# Allegro board BeagleBoard-X15_RevA2.brd (continued)
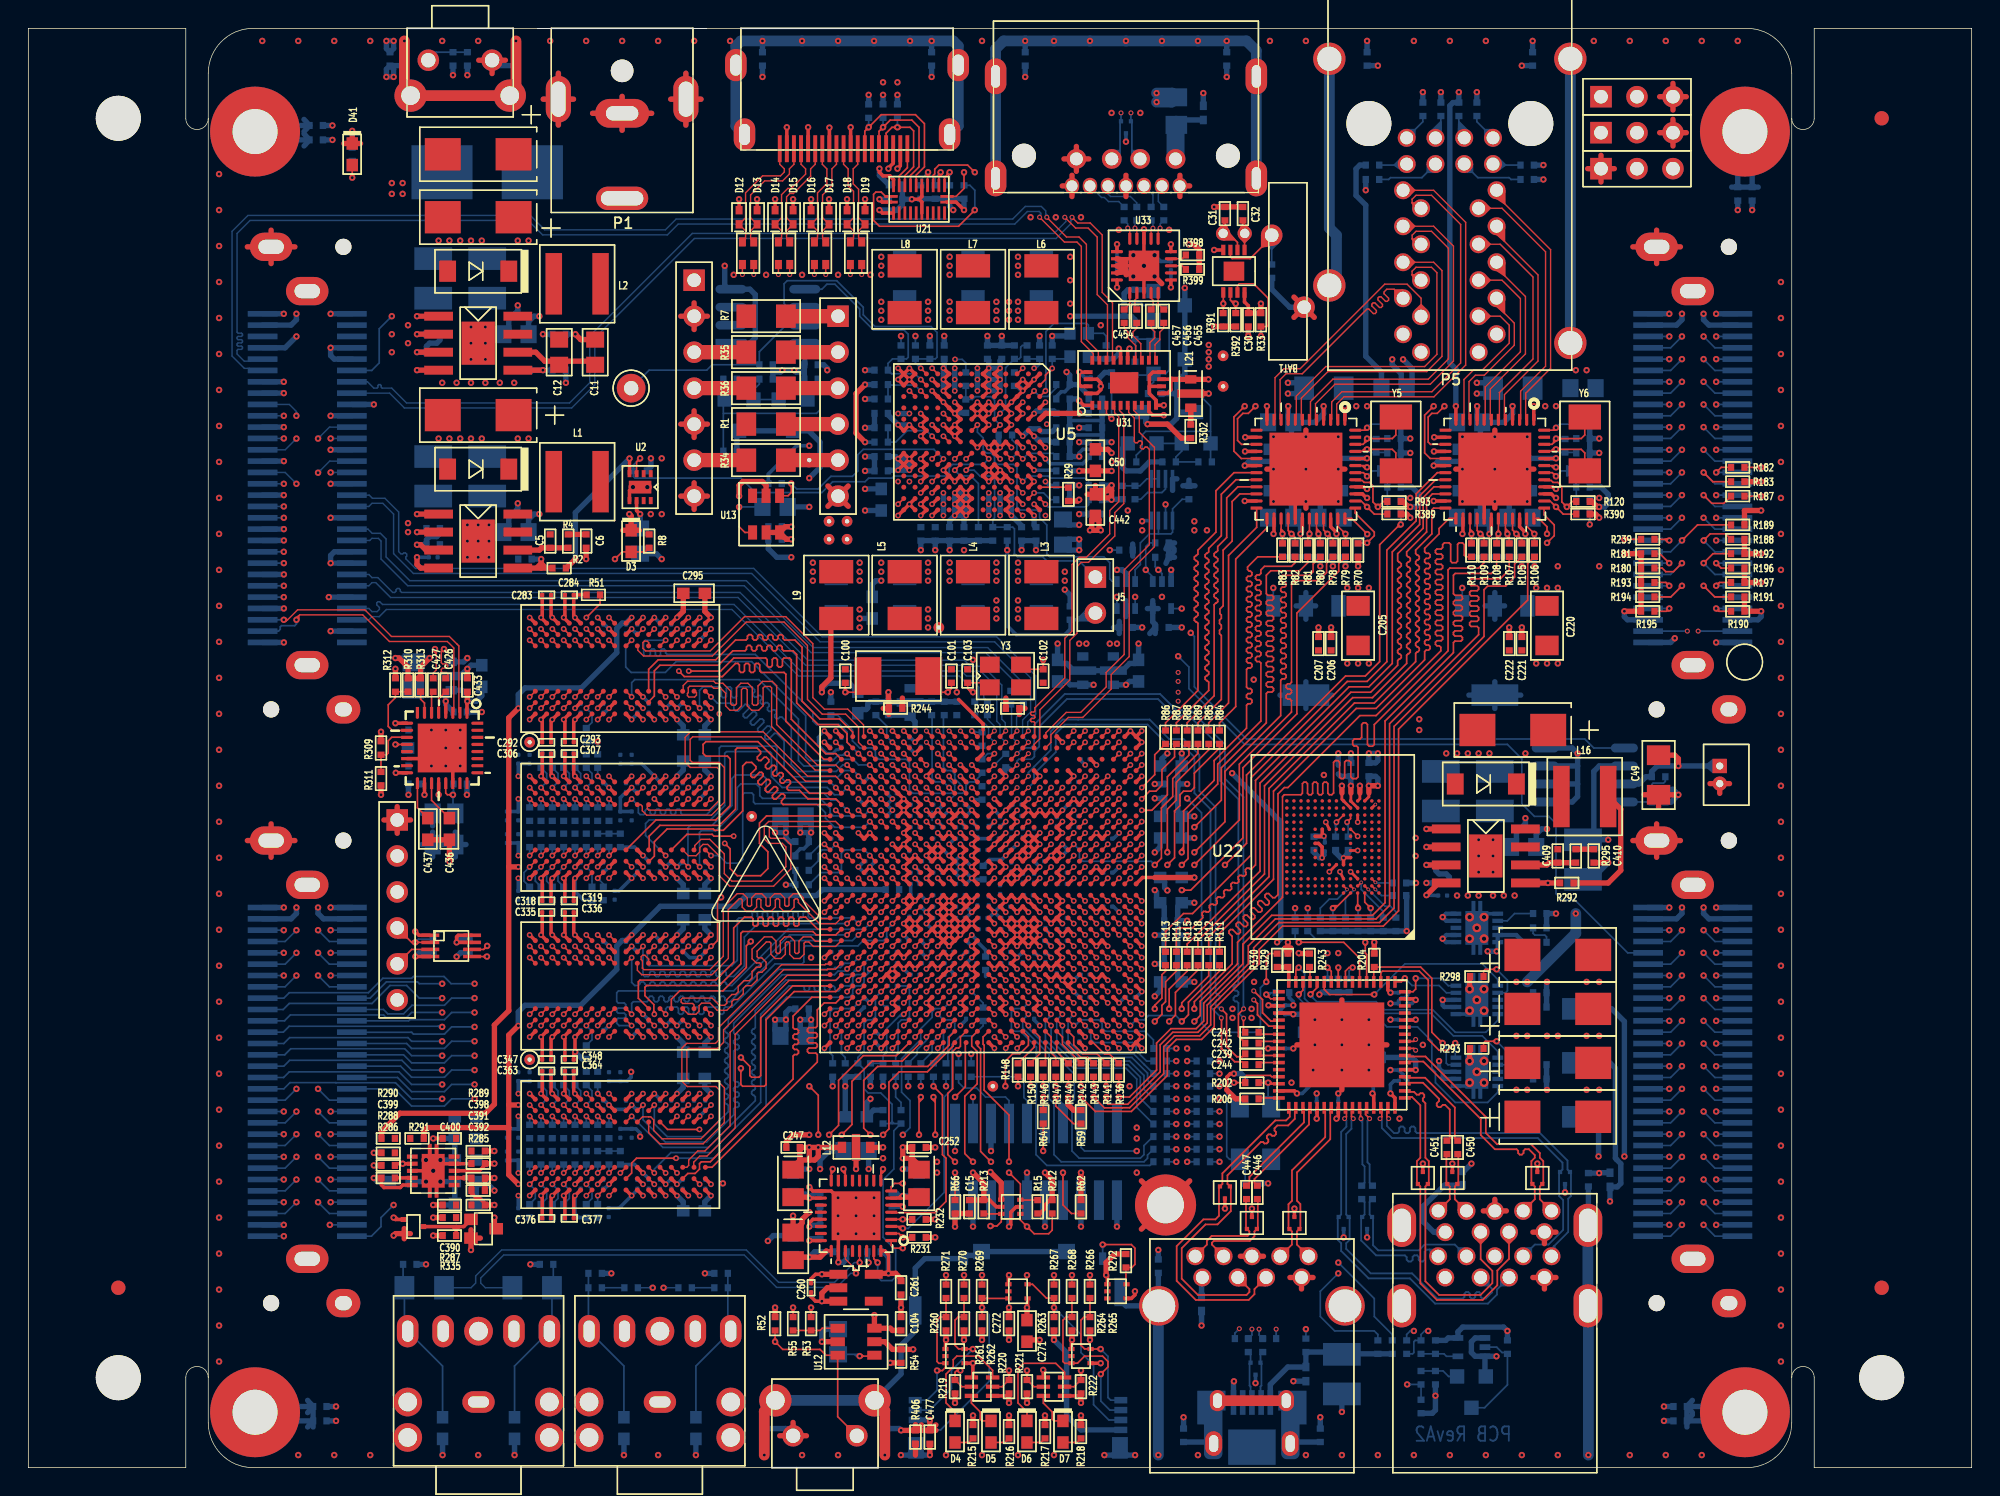
[diagram p0: board, top side]
## Routing (per net, layer and track width the routed paths; a pad name or vN(x,y) marks a point on that pad's centre or on a via; arc(x,y) is an arc through that point) (continued)
  PWR_L6 w0.381: 102.88,15.55 P15.7 ; P15.7 104.13,15.55 ; P15.7 102.88,14.3 ; P15.7 104.13,14.3 ; P15.16 103.5,18.94 ; P15.16 102.69,18.13 ; P15.16 104.32,18.13 ; 107.01,16.63 107.82,16.63 ; 107.01,16.63 107.01,15.81 ; 107.01,16.63 106.19,16.63 ; 107.01,12.61 107.01,13.43 ; 107.01,13.43 107.82,13.43 ; 107.01,13.43 106.19,13.43 ; P13.4 90.67,13.43 ; P13.4 89.86,12.61 ; P13.4 89.05,13.43
  GND_L9 w0.381: 85.55,14.92 P13.7 ; P13.7 87.17,14.92 ; P13.7 86.36,15.74 ; MH5.1 81.97,20.25 ; MH5.1 78.56,20.25 ; MH5.1 78.56,16.84 ; MH5.1 81.97,16.84 ; 56.43,69.3 P3.6 ; P3.6 57.87,69.3 ; P3.6 57.87,67.86 ; P3.6 56.43,67.86 ; 77.47,89.73 P6.8 77.47,91.23 ; 73.66,89.73 P6.5 ; P6.5 72.97,90.48 ; P6.5 73.66,91.23 ; 15.46,86.17 17.14,86.17 ; 17.14,86.17 17.14,87.35 ; 17.14,86.17 17.14,85 ; 17.14,86.17 18.81,86.17 ; P6.11 81.97,90.48 ; P6.11 81.28,91.23 ; P6.11 81.28,89.73 ; 107.01,12.61 107.01,13.43 ; 107.01,13.43 107.82,13.43 ; 107.01,13.43 106.19,13.43 ; P10.1 26.04,46.66 ; P10.1 26.04,44.78 ; P10.1 25.1,45.72 ; P10.1 26.97,45.72 ; P1.MTG1 37.41,98.43 ; P1.MTG1 38.48,96.6 ; P1.MTG1 36.34,96.6 ; P1.MTG1 37.41,94.77 ; 17.14,43.09 17.14,44.26 ; 17.14,44.26 15.46,44.26 ; 17.14,44.26 18.81,44.26 ; 17.14,44.26 17.14,45.44 ; S1.1 33.67,99.35 ; S1.1 32.73,98.41 ; S1.1 31.79,99.35 ; 46.99,67.64 P2.7 ; P2.7 46.05,68.58 ; P2.7 46.99,69.52 ; P2.7 47.93,68.58 ; J4.3 117.02,94.23 ; J4.3 116.08,93.29 ; J4.3 115.14,94.23 ; J4.3 116.08,95.17 ; P18.A2 116.6,44.26 ; P18.A2 113.25,44.26 ; P18.A2 114.92,43.09 ; P18.A2 114.92,45.44 ; P15.16 103.5,18.94 ; P15.16 104.32,18.13 ; P15.16 102.69,18.13 ; 119.38,47.6 J1.2 ; J1.2 120.07,48.29 ; J1.2 118.69,48.29 ; P15.7 104.13,15.55 ; P15.7 104.13,14.3 ; P15.7 102.88,14.3 ; P15.7 102.88,15.55 ; 114.92,85 P16.A2 ; P16.A2 113.25,86.17 ; P16.A2 116.6,86.17 ; P16.A2 114.92,87.35 ; 107.01,15.81 107.01,16.63 ; 107.01,16.63 107.82,16.63 ; 107.01,16.63 106.19,16.63 ; P1.MTG2 47.48,96.6 ; P1.MTG2 45.34,96.6 ; P1.MTG2 46.41,98.43 ; P1.MTG2 46.41,94.77 ; S2.1 54.91,2.25 ; S2.1 53.98,3.19 ; S2.1 53.04,2.25 ; 97.67,78.11 P5.20 ; P5.20 98.93,79.37 ; P5.20 98.93,78.11 ; P5.20 97.67,79.37 ; 41.91,94.41 P1.2 ; P1.2 41.91,96.79 ; P1.2 43.99,95.6 ; P1.2 39.83,95.6 ; J6.1 111.94,91.69 ; J6.1 111,92.63 ; J6.1 110.06,91.69 ; J6.1 111,90.75 ; 90.04,81.92 90.76,81.2 ; 90.04,81.92 89.33,82.63 ; 90.04,81.92 89.33,81.2 ; 90.04,81.92 90.76,82.63 ; P6.4 73.97,93.26 ; P6.4 74.85,92.38 ; P6.4 73.09,92.38 ; P6.4 73.97,91.51 ; 89.05,13.43 P13.4 ; P13.4 89.86,12.61 ; P13.4 90.67,13.43 ; P5.10 102.99,79.37 ; P5.10 101.73,78.11 ; P5.10 101.73,79.37 ; P5.10 102.99,78.11 ; J3.3 117.02,96.77 ; J3.3 116.08,95.83 ; J3.3 115.14,96.77 ; J3.3 116.08,97.71
  GND_L11 w0.381: 45.34,96.6 P1.MTG2 ; P1.MTG2 46.41,98.43 ; P1.MTG2 47.48,96.6 ; P1.MTG2 46.41,94.77 ; P18.A2 116.6,44.26 ; P18.A2 114.92,43.09 ; P18.A2 113.25,44.26 ; P18.A2 114.92,45.44 ; 41.91,94.41 P1.2 ; P1.2 43.99,95.6 ; P1.2 39.83,95.6 ; P1.2 41.91,96.79 ; 89.33,82.63 90.04,81.92 ; 90.04,81.92 90.76,81.2 ; 90.04,81.92 90.76,82.63 ; 90.04,81.92 89.33,81.2 ; P6.4 73.97,93.26 ; P6.4 73.97,91.51 ; P6.4 74.85,92.38 ; P6.4 73.09,92.38 ; 17.14,86.17 18.81,86.17 ; 17.14,86.17 17.14,85 ; 17.14,86.17 17.14,87.35 ; 17.14,86.17 15.46,86.17 ; J4.3 116.08,95.17 ; J4.3 117.02,94.23 ; J4.3 115.14,94.23 ; J4.3 116.08,93.29 ; 81.28,89.73 P6.11 ; P6.11 81.28,91.23 ; P6.11 81.97,90.48 ; 78.56,16.84 MH5.1 ; MH5.1 78.56,20.25 ; MH5.1 81.97,16.84 ; MH5.1 81.97,20.25 ; 32.73,98.41 S1.1 ; S1.1 33.67,99.35 ; S1.1 31.79,99.35 ; 89.86,12.61 P13.4 ; P13.4 89.05,13.43 ; P13.4 90.67,13.43 ; P13.7 87.17,14.92 ; P13.7 86.36,15.74 ; P13.7 85.55,14.92 ; P5.10 102.99,78.11 ; P5.10 101.73,79.37 ; P5.10 102.99,79.37 ; P5.10 101.73,78.11 ; P10.1 26.04,46.66 ; P10.1 26.04,44.78 ; P10.1 26.97,45.72 ; P10.1 25.1,45.72 ; S2.1 54.91,2.25 ; S2.1 53.04,2.25 ; S2.1 53.98,3.19 ; P3.6 57.87,67.86 ; P3.6 56.43,69.3 ; P3.6 57.87,69.3 ; P3.6 56.43,67.86 ; J1.2 120.07,48.29 ; J1.2 119.38,47.6 ; J1.2 118.69,48.29 ; P15.16 103.5,18.94 ; P15.16 104.32,18.13 ; P15.16 102.69,18.13 ; 15.46,44.26 17.14,44.26 ; 17.14,44.26 17.14,43.09 ; 17.14,44.26 18.81,44.26 ; 17.14,44.26 17.14,45.44 ; 107.01,12.61 107.01,13.43 ; 107.01,13.43 107.82,13.43 ; 107.01,13.43 106.19,13.43 ; P1.MTG1 38.48,96.6 ; P1.MTG1 36.34,96.6 ; P1.MTG1 37.41,94.77 ; P1.MTG1 37.41,98.43 ; 114.92,85 P16.A2 ; P16.A2 114.92,87.35 ; P16.A2 113.25,86.17 ; P16.A2 116.6,86.17 ; P15.7 104.13,15.55 ; P15.7 104.13,14.3 ; P15.7 102.88,14.3 ; P15.7 102.88,15.55 ; 107.01,15.81 107.01,16.63 ; 107.01,16.63 107.82,16.63 ; 107.01,16.63 106.19,16.63 ; P2.7 47.93,68.58 ; P2.7 46.99,69.52 ; P2.7 46.05,68.58 ; P2.7 46.99,67.64 ; 77.47,91.23 P6.8 77.47,89.73 ; 110.06,91.69 J6.1 ; J6.1 111,92.63 ; J6.1 111.94,91.69 ; J6.1 111,90.75 ; J3.3 117.02,96.77 ; J3.3 115.14,96.77 ; J3.3 116.08,97.71 ; J3.3 116.08,95.83 ; P6.5 73.66,91.23 ; P6.5 73.66,89.73 ; P6.5 72.97,90.48 ; P5.20 98.93,79.37 ; P5.20 97.67,79.37 ; P5.20 97.67,78.11 ; P5.20 98.93,78.11
  BOTTOM w0.127: 63.78,46.33 63.78,46.1 C498.2 ; C498.2 63.79,45.92 63.79,45.69 ; C498.2 63.53,46.01
  BOTTOM w0.203: v1(56.19,52.01) 55.74,51.56 55.74,51.02 56.35,50.42 56.77,50.42 57.02,50.67 57.16,50.67 C171.2
  BOTTOM w0.254: v1(45.78,20) 46.1,20.31 C385.2 ; C144.2 U11.AA14 v1(68.19,46.41) 68.59,46 C152.2 ; C357.2 45.3,31.52 v1(44.98,31.2) 44.67,31.52 C356.2 ; C310.2 44.67,47.69 v1(44.98,48.01) ; R417.2 67.56,34.67 ; v1(45.78,26.4) U25.D1 C368.2 ; C56.1 66.19,42.81 v1(66.59,42.41) ; C338.2 U26.G1 v1(43.38,37.6) ; C491.2 90.99,27.75 v2(90.68,28.07) ; C85.2 67.79,38 v1(68.19,37.61) ; C311.2 U24.D1 v1(45.78,48.81) ; v1(47.38,26.4) U25.B1 C374.2 ; C121.2 76.59,39.6 v1(76.99,39.21) ; C291.2 47.78,58.81 v1(47.38,58.41) ; v1(70.59,42.41) 70.99,42 C123.2 ; v1(63.39,39.21) 63.79,39.6 C77.2 ; v1(63.39,39.21) 63.07,39.52 C166.2 ; v1(63.39,39.21) 63.79,38.8 ; C384.2 45.3,20.31 v1(44.98,20) 44.67,20.31 C383.2 ; C58.1 69.39,35.6 v1(69.79,35.21) ; v1(44.98,25.6) 44.67,25.29 C367.2 ; v1(91.31,43.05) 91.5,43.24 C266.2 ; v1(68.99,41.61) U11.R13 C72.1 ; v1(62.59,47.21) 62.9,46.89 C172.2 ; C198.2 66.19,41.21 v1(66.59,41.61) ; C421.2 74.55,76.96 v2(74.17,77.34) ; C303.2 45.3,53.92 v1(44.98,53.61) 44.67,53.92 C302.2 ; C161.2 58.99,46.81 v1(58.59,47.21) ; 75.79,72.9 73.5,72.9 ; C75.2 69.39,42 v1(69.79,41.61) ; v1(48.18,19.2) U25.A9 C386.2 ; C236.2 U11.AA11 v1(70.59,46.41) ; v1(64.99,44.01) 65.39,44.41 C182.2 ; C316.2 U24.B1 v1(47.38,48.81) ; v1(72.99,34.41) 72.59,34.8 C132.2 ; v1(66.59,39.21) 66.19,38.8 C91.2 ; v1(66.59,39.21) 66.19,39.6 C88.1 ; v1(66.59,39.21) U11.N15 C203.2 ; v1(76.99,44.81) 76.59,44.41 C119.2 ; v2(94.61,28.07) 94.3,27.75 C486.2 ; C365.2 40.67,25.92 v1(40.98,25.6) 41.3,25.29 C280.2 ; C325.2 46.1,42.72 v1(45.78,42.41) ; v1(43.38,42.41) 43.07,42.72 C321.2 ; v1(62.59,43.21) U11.U20 C69.2 ; v1(44.18,41.61) U24.F9 C322.2 ; v1(72.99,46.41) 73.39,46.81 C118.2 ; v1(64.19,42.41) 64.5,42.09 C62.1 ; C320.2 40.67,42.09 v1(40.98,42.41) ; R275.2 39.19,40.06 38.58,40.67 v1(38.58,41.61) U24.M9 C276.2 ; C470.2 79.93,85.15 v5(79.49,85.59) ; C346.2 47.78,36.4 v1(47.38,36) 46.67,36 C344.2 ; v1(70.59,47.21) U11.AB11 C243.2 ; C160.2 U11.W28 v1(56.19,44.81) ; C174.2 58.99,42.81 v1(58.59,42.41) 58.99,42.01 C165.2 ; C57.2 68.59,38.8 v1(68.19,39.21) ; C173.2 62.9,46.09 v1(62.59,46.41) ; C66.1 66.19,42.01 v1(66.59,41.61) ; C471.2 77.55,84.52 v5(77.99,84.09) ; v1(72.19,46.41) 72.59,46 C140.2 ; v1(40.98,48.01) 40.67,48.32 C308.2 ; C170.2 60.67,47.52 v1(60.99,47.21) 60.67,46.89 C162.2 60.67,46.72 v1(60.99,46.41) 60.67,46.09 C164.2 ; v5(102.74,38.86) 102.98,39.1 U16.6 ; v1(66.59,41.61) 66.66,41.53 C105.2 ; C68.2 64.59,43.61 v1(64.99,43.21) ; v1(48.18,41.61) U24.A9 C326.2 ; D28.3 v2(108.46,19.43) ; v1(74.59,29.61) 74.19,30 C133.2 ; v1(69.79,44.01) 69.39,43.61 C201.2 ; v1(43.38,20) 43.07,20.31 C381.2 ; 92.84,16.85 v2(92.84,16.26) ; C375.2 47.78,25.2 v1(47.38,24.8) ; v1(59.39,48.81) 58.99,48.41 C159.2 ; C199.2 U11.N14 v1(68.19,39.21) ; C128.2 66.27,35.69 v1(66.59,36.01) 66.9,36.32 C146.2 66.9,36.49 v1(66.59,36.81) 66.27,37.12 C154.2 ; v1(73.79,33.61) 74.19,33.2 C134.2 ; C150.2 U11.T21 v1(61.79,42.41) ; C285.2 40.67,59.52 v1(40.98,59.21) ; v1(44.98,59.21) 44.67,58.89 C287.2 ; C484.2 v2(90.93,26.42) ; C493.2 97.03,27.62 97.03,27.75 C487.2 v2(96.14,28.07) ; v1(56.19,36.01) 56.59,36.4 C168.2 ; C300.2 43.07,53.92 v1(43.38,53.61) ; C193.2 62.1,42.89 v1(61.79,43.21) ; C490.2 88.39,32.32 88.39,32.33 C482.2 v2(89.28,32.64) 89.28,32.89 88.99,33.18 C246.2 ; C349.2 40.67,30.89 v1(40.98,31.2) ; v1(48.18,52.81) U23.A9 C305.2 ; v1(68.19,39.21) 68.59,39.6 C200.2 ; v1(68.19,39.21) 67.79,38.8 C86.2 ; v2(74.17,71.37) 74.17,71.63 74.42,71.88 75.79,71.88 ; C290.1 U23.B1 v1(47.38,60.01) ; C288.2 U23.D1 v1(45.78,60.01) ; C323.2 44.67,42.72 v1(44.98,42.41) 45.3,42.72 C324.2 ; C378.2 40.67,19.69 v1(40.98,20) ; C157.2 56.58,51.61 v1(56.19,52.01) ; C309.2 U24.G1 v1(43.38,48.81) ; U30.1 101.49,32.02 v5(101.73,32.26) ; C492.2 97.34,33.33 97.16,33.15 96.9,33.15 96.72,32.96 C489.2 v2(96.14,32.77) ; C354.2 43.07,31.52 v1(43.38,31.2) ; v1(76.99,42.41) 76.59,42.01 C120.2 ; v1(40.98,53.61) 40.67,53.29 C294.2 ; C286.2 U23.G1 v1(43.38,60.01) ; C116.2 74.27,49.92 v1(74.59,49.61) ; C337.2 40.67,37.12 v1(40.98,36.8) ; C141.1 U11.W15 v1(66.59,44.01) ; C141.1 67.07,44.41 C79.2 ; C141.1 66.9,44.49 v1(66.59,44.81) ; 94.49,16.85 v2(94.49,16.26) ; v1(69.79,42.41) 70.19,42 C60.1 ; v2(74.17,75.31) 74.17,75.18 74.42,74.93 75.79,74.93 ; C488.2 v2(96.14,31.62) ; C82.2 63.79,38.8 ; 63.79,38.8 v1(63.39,38.41) 63.79,38 C83.2 ; v1(48.18,30.4) U26.A9 C360.2 ; v1(60.19,29.61) 59.79,30.01 C138.2 ; v1(65.79,31.21) 66.19,31.6 C136.2 ; v1(44.18,30.4) U26.F9 C355.2 ; C67.1 71.07,42.72 v1(71.39,42.41) ; v1(45.78,37.6) U26.D1 C340.2 ; C52.1 68.67,37.92 v1(68.99,37.61) ; v1(66.59,43.21) U11.V15 C76.2 ; C279.2 U25.M9 v1(38.58,19.2) 38.58,17.93 38.86,17.65 R277.2 ; C345.2 U26.B1 v1(47.38,37.6) ; C359.2 46.1,31.52 v1(45.78,31.2) ; C158.2 62.9,51.52 v1(62.59,51.21) 62.27,51.52 C184.2 ; C483.2 v2(89.28,29.59) ; v1(58.59,32.01) 58.59,32.09 C178.2 ; C61.2 69.39,36.4 v1(69.79,36.01) 70.1,36.32 C127.2 ; C95.1 66.19,46.81 v1(66.59,46.41) 66.19,46.01 C499.2 ; v1(38.58,52.81) U23.M9 C275.2 ; v1(44.18,52.81) U23.F9 C301.2 ; C485.2 v2(92.46,26.42) ; v1(73.79,34.41) 74.19,34.8 C115.2 ; v1(71.39,31.21) 70.99,31.6 C135.2 ; U29.1 101.49,26.94 v5(101.73,27.18) ; 75.79,73.91 73.5,73.91 ; C114.2 78.19,33.2 v1(78.59,33.61) ; v1(43.38,26.4) U25.G1 C366.2 ; D40.3 v2(86.61,5.97) ; R422.2 v1(68.99,48.81) ; v1(61.79,41.61) U11.R21 C142.2 C145.1 ; U34.4 78.66,66.85 v2(78.61,66.8) ; v1(47.38,47.21) 47.78,47.61 C317.1 ; C304.2 46.1,53.92 v1(45.78,53.61) ; C382.2 U25.F9 v1(44.18,19.2) ; D32.3 v2(77.47,93.6) ; v1(44.98,36.8) 44.67,36.49 C339.2 ; v2(53.47,41.15) R334.2 R274.2
  BOTTOM w0.381: v2(30.23,36.07) 30.51,36.36 C263.1 ; C327.2 46.22,49.24 v1(45.78,48.81) ; R385.1 61.47,2.76 v2(61.59,2.63) ; C445.2 110.33,41.53 v2(111.51,42.71) ; R397.2 116.08,47.88 v2(116.46,47.5) 115.95,46.99 C443.2 ; v2(61.72,18.41) 61.69,18.45 C253.2 ; P17.31 v2(18.03,39.54) ; v2(101.22,70.48) 101.6,70.1 C228.1 ; C245.2 v2(81.79,48.26) ; C245.2 81.12,49.24 C130.2 v2(81.41,50.42) ; C245.2 C237.2 81.12,46.26 C238.2 ; v2(38.6,29.35) 39.09,28.86 R278.2 ; v2(122.3,60.45) 122.3,60.07 122.08,59.85 P16.28 ; C441.1 v2(51.82,98.17) ; v2(85.09,6.1) 85.06,6.07 P7.5 ; R401.1 v2(115.44,3.3) ; C45.2 v2(68.71,79.88) ; C45.2 R323.1 ; C45.2 C39.2 v2(67.69,79.88) ; C189.2 59.56,62.36 59.82,62.61 v2(60.2,62.61) ; P19.23 v2(21.34,63.85) 21.34,64.39 21.6,64.65 P19.22 ; v2(53.47,44.83) v2(52.7,44.83) 52.7,45.59 C156.2 53.47,45.59 v2(53.47,44.83) ; v2(53.47,44.83) 53.47,44.45 53.72,44.2 C163.2 ; U10.3 v2(80.66,63.37) ; 46.41,94.77 P1.MTG2 ; P1.MTG2 47.48,96.6 ; P1.MTG2 45.34,96.6 ; P1.MTG2 46.41,98.43 ; v2(59.05,70.36) C46.2 C48.2 v2(59.05,71.37) ; C197.2 v2(60.71,54.74) ; C197.2 60.76,54.01 L10.2 62.29,54.07 R50.2 R49.2 C99.2 ; C197.2 R333.2 59.4,54.07 59.25,53.91 59.25,53.63 59.13,53.52 58.81,53.52 C190.2 ; Y9.4 74.98,78.27 C452.2 76.58,78.27 76.96,78.65 v2(76.96,78.99) ; C474.1 v2(21.46,94.74) ; D37.2 v2(82.93,97.03) ; v2(71.12,64.77) C92.1 C33.2 v2(70.1,64.77) ; Y8.1 28.54,44.86 ; Y8.1 28.54,43.11 ; Y8.1 27.79,43.98 ; Y8.1 29.29,43.98 ; C238.2 C54.2 v2(82.3,44.45) ; C238.2 v2(82.3,45.97) ; C213.1 88.27,70.1 v2(87.88,70.48) ; v2(76.84,63.37) 77.22,63.37 77.47,63.12 U9.2 ; 30.14,43.11 Y8.4 ; Y8.4 30.89,43.98 ; Y8.4 29.39,43.98 ; Y8.4 30.14,44.86 ; P4.4 v2(66.68,17.02) ; P16.1 v2(119.13,81.45) ; C208.2 92.46,68.71 v2(92.46,68.2) ; C64.2 C70.2 C80.2 81.12,34.58 C122.2 v2(82.3,34.29) ; C64.2 C63.2 ; C64.2 v2(81.79,37.59) ; P12.6 v2(63.63,3.36) ; P18.1 v2(119.13,39.54) ; D34.2 110.9,20.82 v2(110.87,20.79) R300.1 ; C500.1 v2(64.01,64.77) ; C500.1 C24.1 v2(62.99,64.77) ; C500.1 C37.2 ; 51.31,80.64 51.31,79.76 50.93,79.38 U8.1 ; 51.31,80.64 51.31,81.92 ; 51.31,80.64 U8.2 ; v2(55.12,17.02) 55.21,17.11 C259.2 C258.2 ; C264.2 C265.2 ; C265.2 61.69,89.15 61.31,88.77 v2(60.07,88.77) ; C265.2 v2(62.36,89.53) ; P19.44 v2(18.03,71.05) ; 70.48,18.88 v2(70.48,20.83) ; 30.1,23.24 30.1,21.72 v5(29.08,21.72) v5(28.07,21.72) ; 30.1,23.24 30.1,24.77 ; 30.1,23.24 v2(28.58,23.24) ; v2(105.79,72.77) 105.79,72.42 C225.1 ; P4.12 v2(71.75,17.02) ; C217.1 v2(97.54,72.64) ; C217.1 R92.1 ; C217.1 C218.1 ; 41.91,94.41 P1.2 ; P1.2 43.99,95.6 ; P1.2 41.91,96.79 ; P1.2 39.83,95.6 ; C215.1 v2(95.25,98.97) ; v2(55.12,21.08) 54.23,21.08 C257.2 ; C218.1 96.87,70.65 C219.2 ; C218.1 v2(97.54,71.63) ; v2(53.85,64.26) 52.83,64.26 52.23,64.86 C111.2 R58.2 ; v2(92.71,31.62) 91.82,31.62 91.57,31.37 C494.2 91.57,30.1 91.82,29.84 v2(92.71,29.84) 93.6,29.84 93.85,29.59 C481.2 93.85,28.32 93.6,28.07 v2(92.71,28.07) ; v1(68.59,72.01) 68.49,72.11 R411.2 ; C453.2 v2(72.26,79.88) 73.33,79.88 73.52,80.07 ; R416.2 87.76,83.19 89.03,81.92 90.04,81.92 ; P19.31 v2(18.03,81.45) ; C226.2 101.22,72.14 v2(101.22,72.77) ; C63.2 81.12,39.59 C53.2 v2(82.3,39.88) ; C63.2 v2(81.79,38.61) ; v2(44.7,64.14) 44.32,64.52 C10.2 ; v1(65.39,74.41) 65.43,74.46 R319.1 ; C262.2 59.22,14.57 v2(59.31,14.48) ; C230.1 53.46,2.76 S2.1 ; P19.37 v2(18.03,76.65) ; v2(92.46,70.48) 92.08,70.1 C209.1 ; P4.20 v2(76.84,17.02) ; P1.MTG1 38.48,96.6 ; P1.MTG1 37.41,94.77 ; P1.MTG1 37.41,98.43 ; P1.MTG1 36.34,96.6 ; C432.2 v2(29.46,50.8) ; C94.2 v2(78.61,59.31) ; v2(87.88,68.2) 87.88,68.71 C212.2 ; P19.54 v2(18.03,63.05) ; C350.2 46.22,26.84 v1(45.78,26.4) ; v2(118.24,81.45) 118.24,81.03 118.62,80.65 P16.2 ; 51.31,81.92 51.31,82.8 50.93,83.19 U8.4 49.42,83.19 49.15,83.45 v2(49.15,84.84) ; 51.31,81.92 U8.3 ; R384.2 25.27,98.71 v2(25.27,98.17) v2(25.78,98.17) 25.78,98.71 R384.2 ; R384.2 R332.1 ; 69.41,49.24 R422.2 68.77,49.04 ; R116.2 v2(98.42,97.09) ; C254.2 62.61,21.08 v2(61.72,21.08) ; v2(74.17,71.37) C25.1 C22.1 C21.1 C29.1 C26.1 74.04,75.44 v2(74.17,75.31) ; v2(28.58,18.54) 29.97,18.54 30.1,18.67 30.1,20.19 v5(29.08,20.19) ; P19.38 v2(18.03,75.85) ; C431.2 31.24,56.64 v2(30.99,56.39) 30.48,55.88 L22.2 ; v2(18.92,81.45) 18.92,81.03 18.54,80.65 P19.32 ; C361.2 47.75,18.76 v1(48.18,19.2) ; R43.2 R205.2 v2(57.66,26.92) C113.2 ; D35.2 v2(82.8,10.03) ; C341.2 46.22,38.04 v1(45.78,37.6) ; C227.2 101.22,68.71 v2(101.22,68.2) ; v2(102.23,75.82) 103,75.82 C229.2 103,76.58 v2(102.23,76.58) ; P19.19 v2(21.34,67.05) ; R203.2 R200.1 v2(107.82,39.12) ; R91.2 v2(106.93,90.93) ; C97.2 v2(81.41,59.31) ; R404.2 76.49,68.36 v2(76.45,68.33) R24.2 R27.2 v2(76.45,69.34) ; C415.1 v2(70.36,98.17) ; R47.2 v2(59.44,26.92) ; v2(78.36,58.17) C202.2 78.11,56.77 77.72,56.77 77.22,56.26 L11.2 L24.2 73.79,56.26 73.28,56.77 72.9,56.77 C497.2 v2(72.64,58.17) ; P17.2 20.83,38.74 20.45,39.12 v2(20.45,39.54) ; v2(116.71,81.45) 116.71,81.03 116.33,80.65 P16.32 ; P19.1 v2(21.34,81.45) ; C479.2 v2(92.71,3.94) ; C37.2 v2(65.02,64.77) ; C37.2 C35.2 R26.2 R28.1 ; Q7.2 102.81,6.5 U42.3 ; P16.31 v2(115.82,81.45) ; P19.4 v2(21.34,79.05) 21.34,78.5 21.59,78.25 P19.5 ; U42.1 102.12,9.16 101.85,8.89 101.85,8.13 102.12,7.86 U42.3 ; P19.29 v2(21.34,59.05) ; C419.2 v2(79.76,15.37) ; 27.79,46.19 Y8.2 28.54,45.31 ; P19.26 v2(21.21,61.45) ; C475.1 v2(120.65,88.77) ; C235.2 85.89,27.53 85.6,27.81 v2(85.09,27.81) ; C81.2 56.13,77.85 56.39,77.6 v2(56.39,77.47) ; C473.1 v2(115.44,4.32) ; R12.2 v2(36.32,80.01) ; R421.2 C17.1 v2(74.17,69.34) ; C23.2 v2(59.05,69.09) ; C434.2 v2(26.83,47.5) ; C428.2 v2(28.45,52.07) ; P19.47 v2(18.03,68.65) ; C16.1 C19.1 ; C16.1 C20.1 C28.1 C27.1 ; C16.1 v2(76.45,72.39) ; C233.1 110.2,70.65 C234.2 ; C233.1 v2(110.87,71.63) ; C233.1 C232.1 ; v2(53.47,31.62) 53.47,30.86 C180.2 52.7,30.86 v2(52.7,31.62) v2(53.47,31.62) ; v2(53.47,31.62) 53.47,32.13 53.72,32.38 C179.2 ; P4.16 v2(74.3,17.02) ; P19.50 v2(18.03,66.25) ; P19.41 v2(18.03,73.45) ; P16.60 115.91,58.25 v2(116.2,58.55) ; C43.2 R22.2 v2(59.05,73.41) ; v2(92.08,63.63) R73.1 R72.1 v2(92.96,63.63) ; FB9.1 v2(59.31,21.08) ; P19.60 v2(18.03,58.25) ; C478.2 v2(29.97,98.3) ; D42.2 v2(89.29,6.1) ; P17.32 18.54,38.74 18.92,39.12 v2(18.92,39.54) ; R403.1 v2(121.67,88.77) ; R410.2 v2(99.31,5.08) 99.31,4.06 99.09,3.84 C495.2 ; P18.2 118.62,38.74 118.24,39.12 v2(118.24,39.54) ; C430.2 v2(32,53.34) ; v2(116.71,39.54) 116.71,39.12 116.33,38.74 P18.32 ; P19.13 v2(21.34,71.85) ; S1.1 33.11,98.97 C216.1 ; C240.2 v2(87.5,20.07) ; P4.8 v2(69.22,17.02) ; 109.35,49.53 109.35,48.26 ; 109.35,49.53 U32.7 ; 109.35,49.53 v2(109.35,50.42) 108.97,50.8 U32.8 ; 109.35,48.26 U32.6 ; 109.35,48.26 109.35,47.37 108.97,46.99 U32.5 ; P19.16 v2(21.34,69.45) ; C429.2 v2(28.45,49.53) ; v2(56.01,8.89) 56.01,9.51 56.28,9.78 C109.2 ; R387.1 v2(63.75,98.17) ; v2(88.9,75.82) 89.66,75.82 90.04,76.2 89.66,76.58 v2(88.9,76.58) ; C369.2 47.75,41.17 v1(48.18,41.61) ; P19.34 18.12,79.05 v2(18.92,79.85) ; v2(112.65,60.45) 112.65,60.07 112.87,59.85 P16.58 ; v2(27.32,36.08) 27.59,36.36 R236.2 ; C232.1 v2(110.87,72.64) ; C232.1 R119.1 ; P19.9 v2(24.38,75.05) ; v2(87.88,72.77) 87.88,72.14 C210.2 ; C112.2 v2(55.12,67.82) ; v1(91.31,43.05) 91.12,43.05 90.74,43.43 C267.1 ; v1(48.18,30.4) 47.75,29.97 C387.2 ; R331.1 v2(105.41,98.97) ; R21.2 v2(59.05,75.44) ; U42.3 v2(103.62,7.86) ; C110.2 73.53,61.59 v2(73.15,61.98) ; C270.1 v2(97.94,41.27) ; v2(105.79,68.2) 105.79,68.71 C223.2 ; C231.1 v2(81.53,3.56) ; v2(107.19,34.29) 107.15,34.26 C414.2 C412.2 ; C41.2 v2(64.64,79.88) ; C389.2 v5(28.07,20.19) ; C131.2 v2(82.3,41.66) ; v1(70.19,76.01) 69.84,76.36 C496.2 ; C211.2 92.46,72.42 v2(92.46,72.77) ; R386.1 v2(91.19,3.56) ; R100.1 v2(106.3,63.63) ; C435.2 v2(30.95,47.5) ; D36.2 101.34,20.95 v2(101.85,21.46) ; R276.2 v2(40.19,51.26) ; R299.2 v2(84.58,98.17) ; v1(48.18,52.81) 47.75,52.37 C312.2 ; C224.1 105.41,70.1 v2(105.79,70.48) ; R402.1 v2(21.46,93.73) ; R400.1 v2(21.72,3.3) ; P17.1 v2(21.34,39.54) ; R207.1 R328.2 R209.1 91.28,33.56 v2(91.12,33.4) ; v2(107.19,26.67) 107.15,26.7 C405.2 C407.2 ; P18.31 v2(115.82,39.54) ; C269.2 v2(92.46,50.42) ; P16.30 v2(119.13,58.25) ; P19.57 v2(18.03,60.65) ; C268.2 v2(93.34,50.42) ; C472.1 v2(21.72,4.32) ; P19.10 v2(21.34,74.25) ; P19.51 v2(18.03,65.45) ; C18.1 v2(74.17,70.36) ; v2(74.17,64.77) v2(74.17,65.53) 73.41,65.53 73.03,65.15 73.41,64.77 v2(74.17,64.77)
  vias: v2(28.96,86.61) v2(28.96,72.64) v2(29.21,76.58) v2(29.46,52.07) v2(29.46,49.53) v2(29.72,86.61) v2(29.72,72.64) v2(30.23,76.58) v2(30.48,86.61) v2(30.48,72.64) v2(30.48,52.07) v2(30.48,50.8) v2(30.99,66.55) v2(30.99,65.41) v2(30.99,64.26) v2(31.24,86.61) v2(31.24,80.52) v2(31.24,79.38) v2(31.24,78.23) v2(31.24,76.58) v2(31.24,72.64) v2(31.75,66.55) v2(31.75,65.41) v2(31.75,64.26) v2(32,86.61) v2(32,72.64) v2(32.26,80.52) v2(32.26,79.38) v2(32.26,78.23) v2(32.26,76.58) v2(32.51,66.55) v2(32.51,65.41) v2(32.51,64.26) v2(33.27,76.58) v2(34.29,76.58) v2(49.78,84.2) v2(52.07,84.2) v2(54.61,84.2) v2(55.37,63.88) v2(55.37,63.25) v2(55.37,62.61) v2(57.15,84.2) v2(59.44,84.2) v2(60.2,63.88) v2(60.2,63.25) v2(63.5,82.3) v2(63.5,81.66) v2(63.5,81.03) v2(65.02,63.88) v2(65.02,63.25) v2(65.02,62.61) v2(68.33,82.3) v2(68.33,81.66) v2(68.33,81.03) v2(69.22,82.3) v2(69.85,82.3) v2(70.74,88.27) v2(72.52,88.27) v2(73.15,63.25) v2(73.15,62.61) v2(73.53,85.47) v2(73.53,83.82) v2(73.53,82.17) v2(74.3,88.27) v2(75.69,80.64) v2(76.45,95.63) v2(76.96,87.38) v2(78.49,95.63) v2(80.52,87.38) v2(84.99,32.38) v2(84.99,31.75) v2(86.33,32.38) v2(86.33,31.75) v2(86.51,34.29) v2(90.17,72.77) v2(90.17,68.2) v2(90.81,31.62) v2(90.81,29.84) v2(93.09,56.77) v2(93.85,56.77) v2(94.61,56.77) v2(94.61,31.62) v2(94.61,29.84) v2(96.77,24.64) v2(98.42,29.84) v2(100.08,50.42) v2(100.84,50.42) v2(100.84,40.39) v2(101.6,50.42) v2(101.6,40.39) v2(102.36,50.42) v2(102.36,44.32) v2(102.36,43.18) v2(102.36,42.04) v2(102.36,40.39) v2(103.12,50.42) v2(103.38,44.32) v2(103.38,43.18) v2(103.38,42.04) v2(103.38,40.39) v2(103.5,72.77) v2(103.5,68.2) v2(104.14,40.39) v2(104.9,40.39) v2(106.43,56.77) v2(107.19,56.77) v2(107.95,56.77) v2(109.98,34.29) v2(109.98,30.48) v2(109.98,26.67) v2(110.87,34.29) v2(110.87,30.48) v2(110.87,26.67) v5(43.69,69.22) v5(79.49,84.09) v5(101.73,38.86) v5(101.73,37.34) v5(102.23,38.1) v5(102.23,33.02) v5(102.23,27.94) v5(102.74,37.34) v5(102.74,33.78) v5(102.74,32.26) v5(102.74,28.7) v5(102.74,27.18)
GND_EARTH: length 301
  TOP w0.381: R406.2 62.61,0.89 ; C477.2 v2(63.63,0.89)
  TOP w0.762: S2.3 51.94,3.97 v2(51.94,0.89) ; S2.4 60.45,4.02 v2(60.45,0.89) ; v2(34.42,100.71) 34.42,97.29 S1.3 S1.4 26.54,97.29 v2(26.54,100.71) ; P7.S2 P7.S4
  SIG_L8 w0.762: P15.21 P15.19
  SIG_L10 w0.762: 110.08,11.42 P15.19 P13.11 P13.10
  BOTTOM w0.381: 110.08,17.11 110.11,17.14 R300.2 ; 20.1,2.87 R400.2 ; R400.2 C472.2 ; R400.2 16.61,3.3 MH1.1 16.41,4.32 C472.2 ; R400.2 19.71,2.87 ; C474.2 16.43,94.74 MH3.1 15.93,94.23 16.43,93.73 R402.2 ; C474.2 19.46,94.31 ; C474.2 19.46,95.17 ; C231.2 83.55,1.81 P7.S3 ; C473.2 117.45,4.75 ; C473.2 117.45,3.89 ; C473.2 120.75,4.32 MH2.1 120.55,3.3 R401.2 ; C473.2 R401.2 ; C215.2 v2(94.49,100.71) ; 117.06,2.87 R401.2 ; R401.2 117.45,3.73 ; R299.1 v2(84.58,100.71) ; v2(63.63,0.89) 63.16,0.89 P12.14 62.14,0.89 v2(61.59,0.89) ; D8.1 v2(34.32,0.89) ; S2.4 61.59,6.62 61.59,8.64 62.6,9.64 P12.12 62.6,14.09 63.27,14.75 P12.9 66.31,14.99 67.01,14.99 P12.16 P12.15 ; D10.1 v2(47.12,0.89) ; C472.2 19.71,4.75 ; C472.2 19.71,3.89 ; R387.2 v2(63.75,100.71) ; 121.24,90.39 R403.2 ; R403.2 121.67,93.8 MH4.1 120.65,93.8 C475.2 ; R403.2 122.09,90.39 ; R331.2 v2(106.17,100.71) ; R385.2 v2(60.45,0.89) ; C230.2 v2(51.94,0.89) ; C475.2 121.08,90.39 ; C475.2 120.22,90.39 ; 19.46,94.15 R402.2 ; R402.2 19.46,93.3 ; C419.1 79.76,11.46 P13.10 77.47,11.42 77.1,11.8 P12.11 ; v2(78.11,0.89) 77.56,0.89 P12.13 76.54,0.89 v2(75.95,0.89) ; P7.S1 89.17,1.81 R386.2 ; D9.1 v2(29.24,0.89) ; D11.1 v2(42.04,0.89) ; C441.2 v2(51.82,100.71) ; C415.2 v2(70.36,100.71) ; R332.2 v2(26.54,100.71) ; C216.2 v2(34.42,100.71) ; v2(25.27,100.71) 25.27,100.17 R384.1 25.78,100.17 v2(25.78,100.71) 25.27,100.71 v2(25.27,100.71)
  BOTTOM w0.762: 91.83,99.45 91.83,87.5 92.33,87 92.33,83.95 91.83,83.45 ; 108.84,79.39 108.84,99.45 ; v2(110.11,0.89) 110.11,11.39 110.08,11.42 110.08,17.11 ; P6.15 P6.14 86.67,100.02 85.98,100.71 v2(84.58,100.71) v2(82.55,100.71) v2(80.01,100.71) v2(77.47,100.71) v2(74.93,100.71) v2(72.39,100.71) v2(70.36,100.71) 68.83,100.71 68.27,100.15 P6.17 P6.16 ; P13.10 79.76,11.39 v2(79.76,0.89) ; S2.4 S2.3 ; P11.MTG2 49.94,94.71 P11.MTG4 49.94,100.36 50.29,100.71 v2(51.82,100.71) v2(54.61,100.71) v2(57.15,100.71) v2(59.69,100.71) v2(62.23,100.71) v2(63.75,100.71) 65.28,100.71 65.63,100.36 P11.MTG3 65.63,94.71 P11.MTG1
  vias: v2(13.46,91.31) v2(13.46,88.77) v2(13.46,86.23) v2(13.46,83.69) v2(13.46,81.15) v2(13.46,78.61) v2(13.46,76.07) v2(13.46,73.53) v2(13.46,70.99) v2(13.46,68.45) v2(13.46,65.91) v2(13.46,63.37) v2(13.46,60.83) v2(13.46,58.29) v2(13.46,55.75) v2(13.46,53.21) v2(13.46,50.67) v2(13.46,48.13) v2(13.46,45.59) v2(13.46,43.05) v2(13.46,40.51) v2(13.46,37.97) v2(13.46,35.43) v2(13.46,32.89) v2(13.46,30.35) v2(13.46,27.81) v2(13.46,25.27) v2(13.46,22.73) v2(13.46,20.19) v2(13.46,17.65) v2(13.46,15.11) v2(13.46,12.57) v2(13.46,10.03) v2(13.46,7.49) v2(16.51,100.71) v2(19.05,100.71) v2(19.05,0.89) v2(21.59,100.71) v2(21.59,0.89) v2(24.13,100.71) v2(24.13,0.89) v2(29.21,100.71) v2(31.75,100.71) v2(31.75,0.89) v2(36.83,100.71) v2(39.37,100.71) v2(41.91,100.71) v2(44.45,100.71) v2(44.45,0.89) v2(46.99,100.71) v2(49.53,100.71) v2(54.61,0.89) v2(57.15,0.89) v2(64.77,0.89) v2(67.31,100.71) v2(67.31,0.89) v2(69.85,0.89) v2(72.39,0.89) v2(82.55,0.89) v2(87.63,100.71) v2(90.17,100.71) v2(90.17,0.89) v2(92.71,0.89) v2(95.25,0.89) v2(97.79,100.71) v2(97.79,0.89) v2(100.33,100.71) v2(100.33,0.89) v2(102.87,100.71) v2(102.87,0.89) v2(105.41,0.89) v2(107.95,0.89) v2(110.49,100.71) v2(113.03,100.71) v2(113.03,0.89) v2(115.57,100.71) v2(115.57,0.89) v2(118.11,100.71) v2(118.11,0.89) v2(120.65,100.71) v2(123.7,83.69) v2(123.7,81.15) v2(123.7,78.61) v2(123.7,76.07) v2(123.7,73.53) v2(123.7,70.99) v2(123.7,68.45) v2(123.7,65.91) v2(123.7,63.37) v2(123.7,60.83) v2(123.7,58.29) v2(123.7,55.75) v2(123.7,53.21) v2(123.7,50.67) v2(123.7,48.13) v2(123.7,45.59) v2(123.7,43.05) v2(123.7,40.51) v2(123.7,37.97) v2(123.7,35.43) v2(123.7,32.89) v2(123.7,30.35) v2(123.7,27.81) v2(123.7,25.27) v2(123.7,22.73) v2(123.7,20.19) v2(123.7,17.65) v2(123.7,15.11) v2(123.7,12.57) v2(123.7,10.03) v2(123.7,7.49)
